# Altium PCB BGA_faser_v2.PcbDoc (part 3 of 5) (continued)
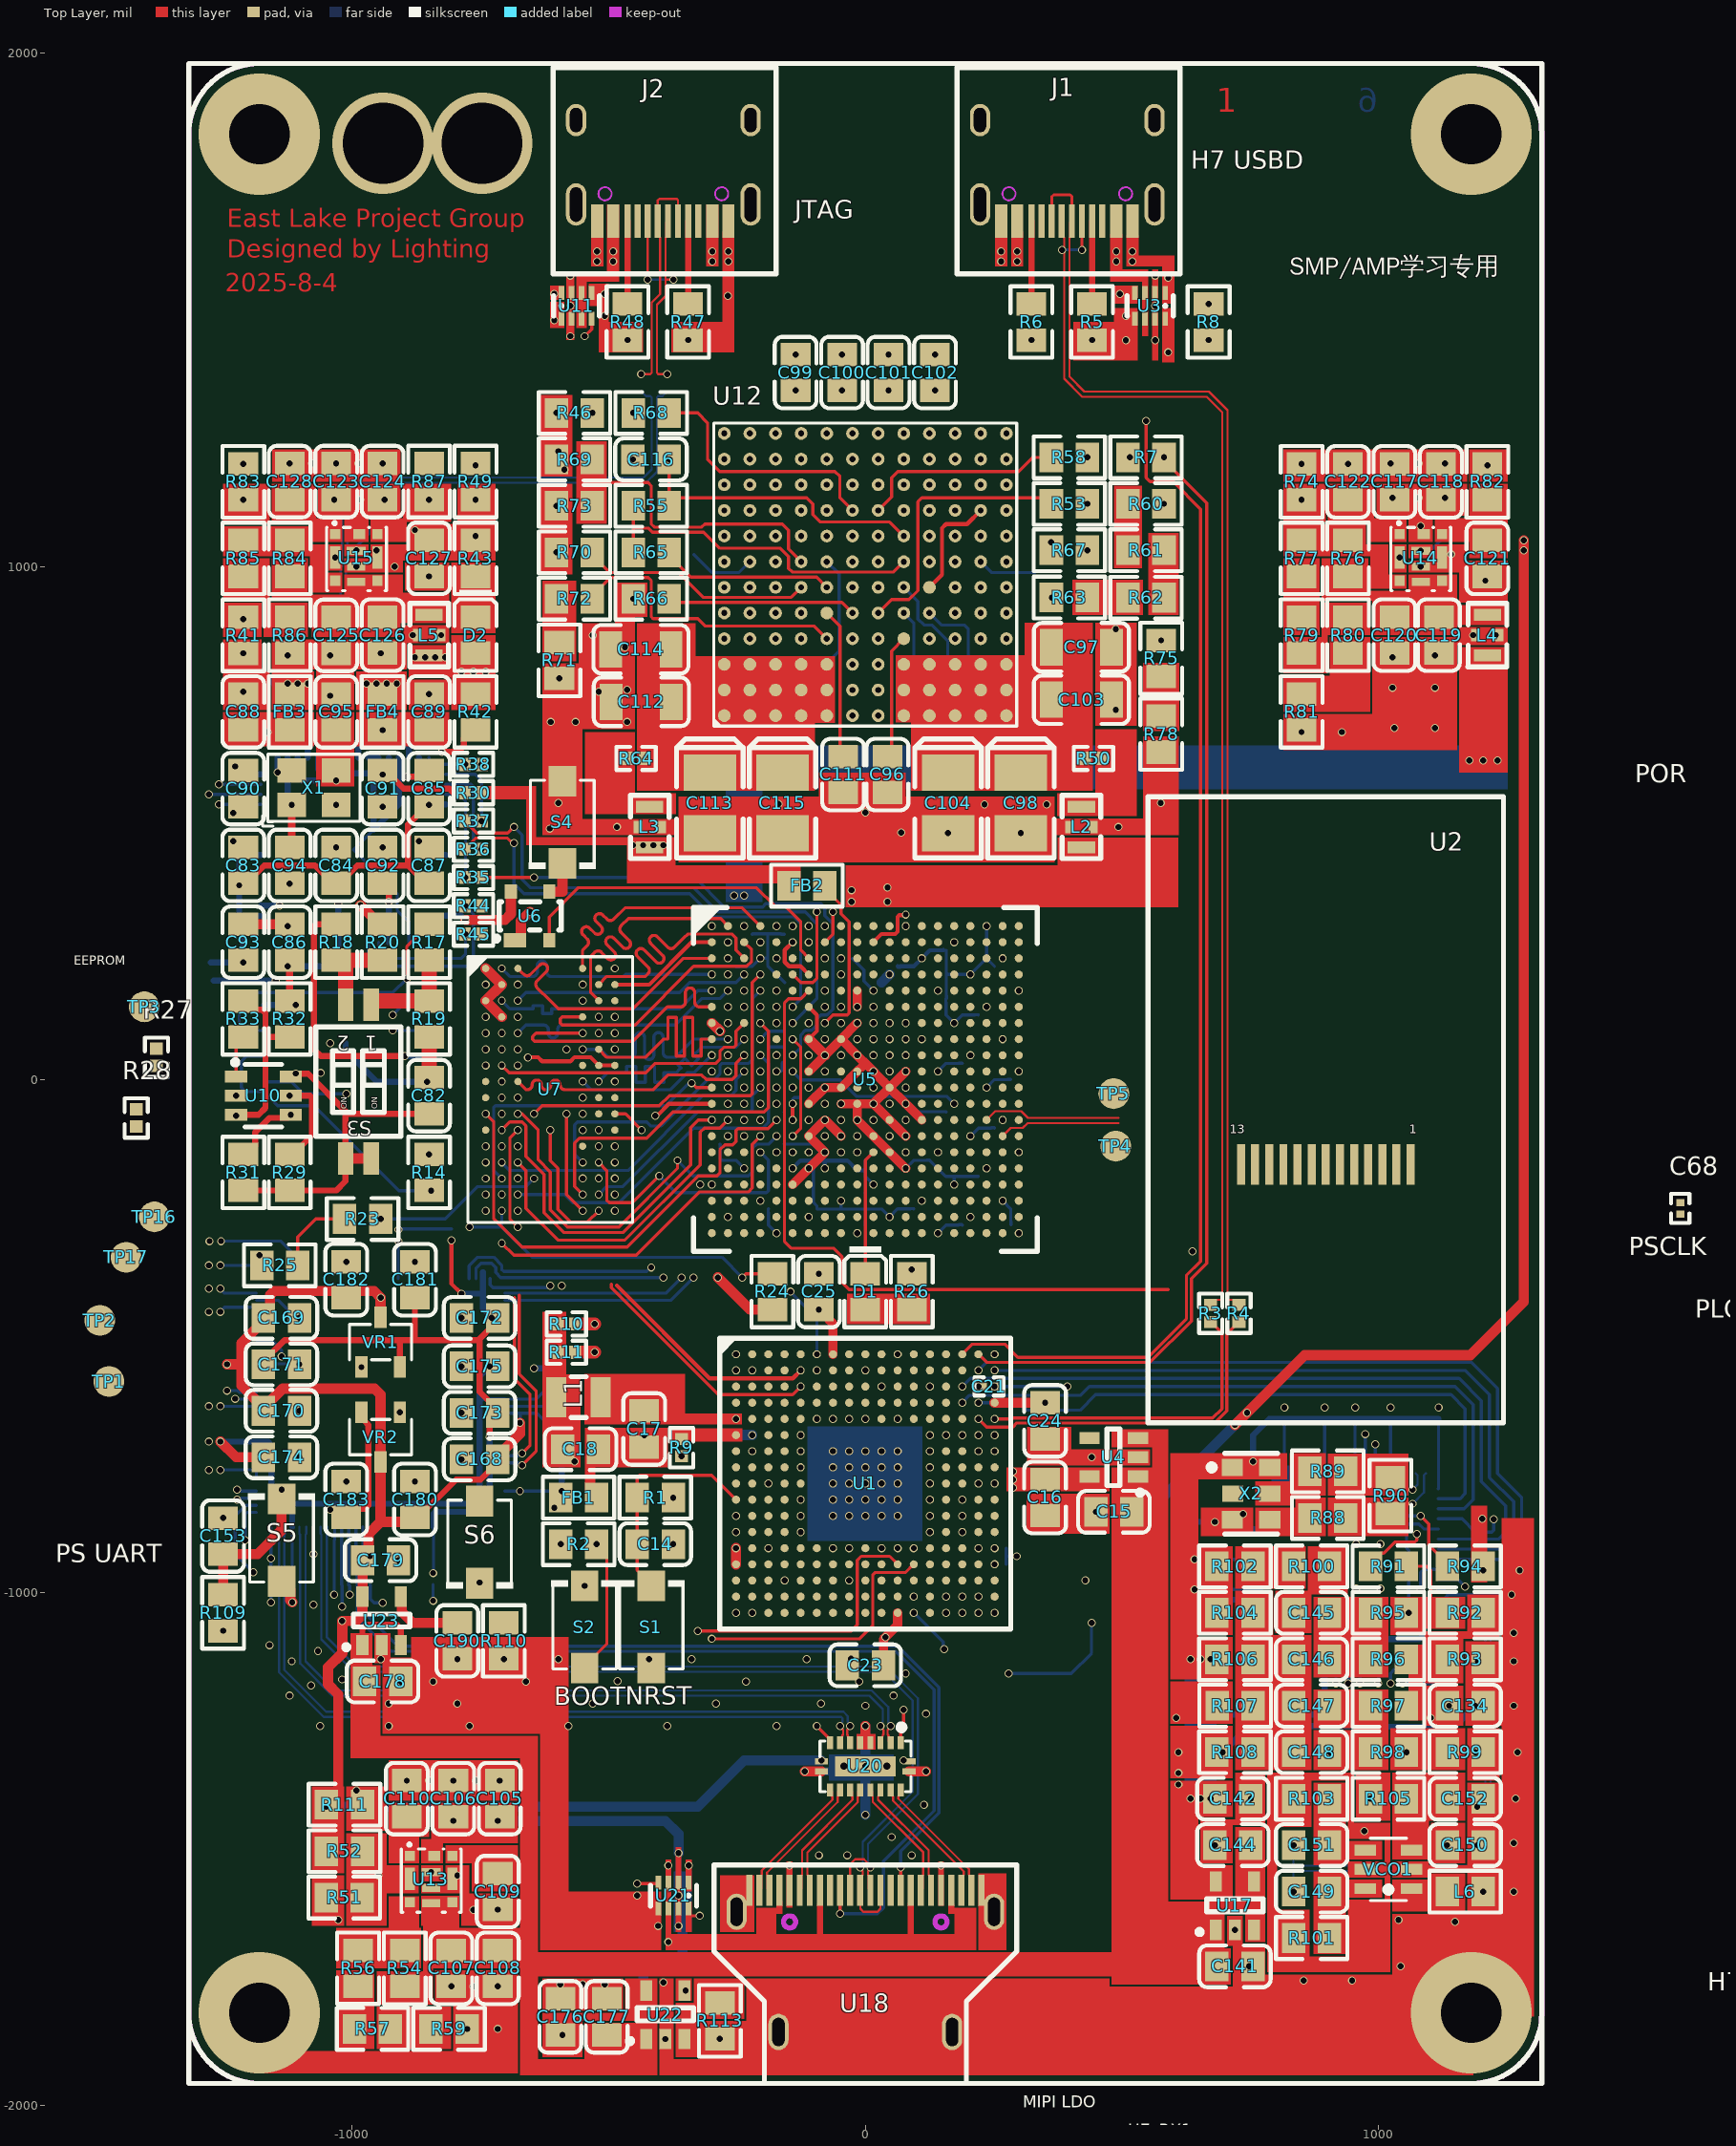
[diagram p0: Top Layer view]
## Nets (pads, with @x,y where several pads share a name; then routed paths per layer and width w, separated by ;. In a path a pad name is that pad's centre, name@x,y a point inside that pad or via, vN(x,y) a via of type N, cw(c..) or ccw(c..) an arc to the next point about the centre after c; other vN are vias at no path point) (continued)
IF_3V3: C154.1 C155.2 C156.1 C157.2 C158.1 C159.1 C160.2 C161.1 C162.2 C163.1 C164.1 C165.2 C166.2 C167.2 C168.1 C169.1 C170.1 C179.2 C180.2 C182.2 R52.1 R109.2 R111.2 S6.2 U19.6 U19.7 U19.16 U19.30 U19.32 U19.33 U19.38 U19.51 U19.64 U19.82 U19.93 U19.114 U19.128 U20.9 U20.20 U23.5 VR1.3 VR2.3 | length 4576.2
  Top Layer w11.81: C180.2@-877.95,-853.54 -871.85,-853.54 -797.83,-779.53 -750.2,-779.53 C168.1@-716.93,-746.26
  Top Layer w20: v1(-1244.09,-555.12) -1216.54,-555.12 ; C170.1@-1173.23,-645.67 C170.1@-1173.23,-639.57 ; -1047.24,-1462.6 -1027.56,-1442.91 -1027.56,-1198.44 -1047.24,-1178.76 -1047.24,-1145.67 -1019.69,-1118.11 v1(-1019.69,-1055.12) -992.03,-1055.12 -980.32,-1043.4 U23.5@-980.32,-1007.87 -980.12,-1007.68 -980.12,-937.2 C179.2@-979.92,-937.01 -968.5,-925.59 -968.5,-885.71 -944.88,-862.09 ; VR1.3@-944.88,-463.19 v1(-944.88,-425.2) -957.72,-412.36 -1152.52,-412.36 -1160.39,-420.24 -1160.39,-451.73 C169.1@-1173.23,-464.57 -1173.23,-470.67 -1216.54,-513.98 -1216.54,-555.12 ; C180.2@-877.95,-853.54 -886.5,-862.09 -944.88,-862.09 ; C168.1@-716.93,-746.26 C168.1@-716.93,-740.16 -716.93,-734.06 -673.23,-690.35 v1(-673.23,-669.29) ; -1216.54,-555.12 -1216.54,-596.26 C170.1@-1173.23,-639.57 ; C170.1@-1173.23,-639.57 -1136.02,-602.36 -956.6,-602.36 -944.88,-614.08 -944.88,-862.09
  Layer 3 w19.68: v1(-85.43,-1326.77) -61.81,-1303.15 51.18,-1303.15 v1(74.8,-1326.77)
  PWR w20: v1(-1251.97,-1074.41) -1251.97,-1051.18 ; -661.42,-397.64 -657.48,-401.57 v1(-614.17,-401.57)
  Bottom Layer w6.16: v1(-1257.09,-636.81) U19.16@-1187.01,-636.81 ; v1(-1257.09,-452.76) -1257.09,-451.97 -1249.02,-443.9 U19.30@-1187.01,-443.9 ; v1(-1257.09,-407.48) -1257.09,-408.27 -1249.02,-416.34 U19.32@-1187.01,-416.34 ; v1(-1257.09,-362.2) -1169.29,-362.2 -1158.46,-373.03 U19.33@-1158.46,-387.8 ; v1(-1255.91,-314.96) -1138.78,-314.96 -1089.57,-364.17 U19.38@-1089.57,-387.8 ; C159.1@-1254.33,-760.83 U19.7@-1187.01,-760.83 U19.6@-1187.01,-774.61 ; C155.2@-1158.46,-961.81 U19.128@-1158.46,-872.05 ; C162.2@-965.55,-961.81 U19.114@-965.55,-872.05 ; U19.51@-910.43,-387.8 v1(-910.43,-314.96) ; U19.64@-731.3,-387.8 -731.3,-400.36 -726.14,-405.51 -618.11,-405.51 v1(-614.17,-401.57) ; U19.93@-702.76,-802.17 C156.1@-614.17,-802.17 ; U19.82@-702.76,-650.59 -671.36,-650.59 ; v1(-673.23,-669.29) -672.94,-669.01 -672.94,-652.18 -671.36,-650.59 ; C163.1@-614.17,-677.17 -614.17,-676.38 -639.96,-650.59 -671.36,-650.59
  Bottom Layer w19.68: v1(-1051.18,-1417.32) -326.77,-1417.32 -236.22,-1326.77 v1(-85.43,-1326.77)
  other v1: -751.97,-980.32 -1158.46,-933.07 -965.55,-929.13 -673.23,-802.17 -1257.09,-760.83
INIT_B: R15.2 U5.R10 | length 2.6
  Top Layer w6.16: U5.R10@-15.75,-144.33 v1(-15.75,-141.74)
INTVCC: C116.2 R55.2 R67.2 R74.2 R83.2 U12.H8 | length 2332.2
  Top Layer w6.16: v1(-382.68,1208.66) -382.68,1118.5 R55.2@-382.28,1118.11 -366.54,1133.86 -114.17,1133.86 -102.36,1122.05 -102.36,1101.2 -87.78,1086.61 47.24,1086.61 74.61,1059.25 v1(75,1059.25)
  Layer 3 w5.59: v1(362.2,1047.24) 362.2,1082.68
  Layer 3 w5.61: v1(-1212.6,1200) -1174.02,1161.42 -429.92,1161.42 v1(-382.68,1208.66) ; v1(75,1059.25) 98.43,1082.68 362.2,1082.68 733.07,1082.68 v1(850.39,1200)
JTAG_RXD: R44.2
JTAG_TCK: R38.2 U5.F9 | length 1029.4
  Layer 3 w5.61: v1(-748.03,614.17) -314.96,614.17 -47.24,346.46 -47.24,318.9 -62.99,303.15 -62.99,157.48 v1(-47.24,141.73)
JTAG_TDI: R37.2 U5.G6 | length 1046.2
  Top Layer w6.16: R37.2@-780.51,503.94 -780.51,502.95 -757.87,480.31 -697.43,480.31 -685.62,492.13 v1(-685.04,492.13) ; v1@-687.3,494.38 -685.62,496.06 v1@-685.04,496.06
  Bottom Layer w6.16: v1(-685.04,492.13) -669.29,476.38 -669.29,389.76 -653.54,374.02 -334.65,374.02 -287.4,326.77 -117.36,326.77 -94.49,303.9 -94.49,157.48 v1(-141.73,110.23)
JTAG_TDO: R36.2 U5.F6 | length 951.2
  Top Layer w6.16: R36.2@-780.51,448.82 -780.51,449.8 -759.66,470.65 -697.66,470.65 -687.63,460.63 v1(-685.04,460.63) ; v1@-687.61,458.06 -686.24,456.69 v1@-685.04,456.69
  Bottom Layer w6.16: v1(-685.04,460.63) -685.04,381.89 -665.35,362.2 -342.52,362.2 -297.43,317.11 -139.19,317.11 -125.98,303.91 -125.98,157.48 v1(-141.73,141.73)
JTAG_TMS: R35.2 U5.J6 | length 1039.3
  Top Layer w6.16: R35.2@-747.05,393.7 v1(-645.67,393.7)
  Bottom Layer w6.16: v1(-645.67,393.7) -332.6,393.7 -275.33,336.43 -200.26,336.43 -194.17,342.52 -86.29,342.52 -78.74,334.97 -78.74,319.65 -62.99,303.91 -62.99,137.04 -72.75,127.28 -73.51,127.28 -74.8,125.98 -86.61,125.98 -94.49,118.11 -94.49,105.54 -104.25,95.78 -116.82,95.78 -125.98,86.61 -125.98,62.99 v1(-141.73,47.24)
JTAG_TXD: R45.2
LD: U1.D15 U16.3 | length 1284.1
  Bottom Layer w6.16: v1(188.98,-629.92) 203.43,-615.47 419.97,-615.47 437.01,-598.43 1149.61,-598.43 1185.04,-633.86 1185.04,-818.9 1167.33,-836.61 U16.3@1117.13,-836.61
LF: R99.2 R105.2 U16.9 | length 701.2
  Layer 3 w5.61: v1(984.25,-1401.57) 1145.67,-1401.57 1188.98,-1358.27 v1(1188.98,-1311.02) 1134.17,-1256.22 1134.17,-1255.85 1082.68,-1204.36 v1(1082.68,-994.09)
  Bottom Layer w6.16: v1(1082.68,-994.09) 1082.68,-960.63 1088.59,-954.72 U16.9@1117.13,-954.72
LF_COMMON: C146.1 C147.1 C148.1 R104.1 R106.2 R107.2 R108.2
LX: C17.2 L1.1 U1.E1
  other v1: -251.97,-661.42
MDIRN: U19.12
MDIRP: U19.13
MDITN: U19.14
MDITP: U19.15
MODE: R70.1 U12.F4 | length 454.9
  Top Layer w6.16: R70.1@-531.89,1027.56 -531.89,1021.46 -498.62,988.19 -365.16,988.19 -316.75,939.78 -144.47,939.78 v1(-125,959.25)
NC: U5.P1 U5.P3 U5.R1 U5.R2 U5.R3 U5.T1 U5.T2 U5.T4 U5.U2 U5.U3 U5.U4 U5.V1 U5.V2 U5.V3 U5.W1 U5.W3 U5.W4 U5.W5 U5.Y1 U5.Y2 U5.Y3 U5.Y4
  other v1: -236.22,-110.24
NetC22_2: C22.2 U1.N17
  other v1: 251.97,-913.38
NetC88_1: C88.1 FB3.1 U9.4 | length 121.4
  Bottom Layer w12: v1(-1165.35,677.17) -1098.43,677.17 -1086.62,665.36 U9.4@-1086.62,627.56
NetC89_1: C89.1 FB4.1 U9.9 | length 91.6
  Bottom Layer w12: U9.9@-988.2,627.56 -988.2,665.34 -972.44,681.1 v1(-940.94,681.1)
NetC93_2: C93.2 R34.2 U9.49 | length 166.8
  Bottom Layer w12: v1(-1212.6,228.35) -1212.6,296.19 -1208.99,299.8 U9.49@-1178.16,299.8
  Bottom Layer w12.01: R34.2@-1275.59,228.35 v1(-1212.6,228.35)
NetC125_2: C125.2 C126.2 L5.1 R84.2 U15.4 U15.5
NetC144_2: C144.2 U17.4
NetC145_1: C145.1 R100.2
NetC145_2: C145.2 C146.2 R95.2 R96.1
NetC147_2: C147.2 R97.2 R98.1
NetC148_2: C148.2 R98.2 R99.1 | length 149.6
  Bottom Layer w6.16: v1(905.51,-1311.02) v1(1055.12,-1311.02)
NetC190_2: C190.2 U23.4 | length 147.6
  Top Layer w19.68: U23.4@-905.51,-1007.87 -903.54,-1009.84 -903.54,-1037.4 -881.89,-1059.06 C190.2@-795.28,-1059.06
NetD1_A: D1.A R26.1
NetD2_K: D2.K R43.2
NetL6_2: L6.2 VCO1.1
NetR17_2: R17.2 R19.2 S3.3 | length 195.3
  Top Layer w6.16: S3.3@-963.19,146.06 S3.3@-956.1,153.15
  Top Layer w30: S3.3@-956.1,153.15 R19.2@-850.39,153.15 R17.2@-850.39,232.68
NetR18_1: R18.1 R20.2 S3.4 | length 188.3
  Top Layer w30: S3.4@-1013.19,146.06 -1013.19,220.47 -1025.39,232.68 R18.1@-1031.5,232.68 R20.2@-940.94,232.68
NetR23_2: R23.2 R25.2 | length 161.1
  Top Layer w6.16: R25.2@-1106.3,-362.2 -1106.3,-307.09 -1070.87,-271.65 R23.2@-1014.96,-271.65
NetR27_2: R27.2 U5.G5
  other v1: -173.23,110.24
NetR28_2: R28.2 U5.H5
NetR33_2: R33.2 U10.1 | length 82.9
  Top Layer w6.16: U10.1@-1226.38,5.9 -1226.38,69.29 R33.2@-1212.6,83.07
NetR35_1: R35.1 U9.19 | length 193.1
  Bottom Layer w6.16: U9.19@-817.92,555.71 -791.93,555.71 -779.53,543.31 v1(-779.53,393.7)
NetR36_1: R36.1 U9.18 | length 184.6
  Bottom Layer w6.16: U9.18@-817.92,575.39 -768.3,575.39 -763.78,570.87 -763.78,464.57 v1(-748.03,448.82)
NetR37_1: R37.1 U9.17 | length 153.8
  Bottom Layer w6.16: U9.17@-817.92,595.08 -760.44,595.08 -748.03,582.68 v1(-748.03,503.94)
NetR38_1: R38.1 U9.16 | length 93.3
  Bottom Layer w6.16: U9.16@-850.4,627.56 -850.39,609.91 -846.79,606.3 -840.72,606.3 -832.84,614.17 v1(-779.53,614.17)
NetR41_2: R41.2 U9.6 | length 271.6
  Bottom Layer w12: v1(-1212.6,830.71) -1047.25,665.36 U9.6@-1047.25,627.56
NetR42_2: R42.2 U9.14 | length 213.7
  Top Layer w6.16: v1(-825.85,638.23) v1@-825.39,638.7
  Top Layer w12: v1@-825.39,638.7 -794.37,638.7 -782.32,650.75 -782.32,664.66 -765.49,681.5 R42.2@-759.84,681.5
  Bottom Layer w12: U9.14@-889.77,627.56 -889.77,661.75 -886.16,665.35 -832.88,665.35 -825.85,658.32 v1@-825.85,639.25
NetR44_1: R44.1 U9.39 | length 360.1
  Bottom Layer w6.16: U9.39@-968.51,267.32 -968.51,236.23 -952.76,220.47 -775.59,220.47 -763.78,232.28 -763.78,322.83 v1(-779.53,338.58)
NetR45_1: R45.1 U9.38 | length 240.7
  Bottom Layer w6.16: U9.38@-948.83,267.32 -948.83,240.17 -944.88,236.22 -787.4,236.22 -779.53,244.09 v1(-779.53,283.46)
NetR51_2: R51.2 R52.2 TP6.1 U13.2
  other v1: -948.82,-1551.18
NetR54_1: R54.1 R56.1 U13.3
NetR56_2: R56.2 R57.2
NetR57_1: R57.1 R59.1
NetR60_1: R60.1 R61.1
NetR61_2: R61.2 R62.1
NetR62_2: R62.2 R63.1
NetR71_2: R71.2 R72.1
NetR75_1: R75.1 R78.2
NetR76_1: R76.1 R77.1 U14.3
NetR77_2: R77.2 R79.1
NetR79_2: R79.2 R80.2
NetR80_1: R80.1 R81.1
NetR84_1: R84.1 R85.1 U15.3
NetR85_2: R85.2 R86.1
NetR91_2: R91.2 R92.1 | length 151.8
  Top Layer w6.16: R91.2@1054.72,-948.82 1094.49,-948.82 1102.36,-956.69 1102.36,-1011.52 1105.97,-1015.13 1114.5,-1015.13 1134.25,-1034.89 R92.1@1134.25,-1039.37
NetR92_2: R92.2 R93.1
NetR96_2: R96.2 R97.1
NetR100_1: R100.1 R102.2
NetR102_1: R102.1 R104.2
NetR113_2: R113.2 U22.3
NetS4_2: S4.2 U6.3 | length 77.4
  Top Layer w20: U6.3@-616.14,366.14 -590.56,366.14 S4.2@-590.55,417.91
NRST: C14.2 R1.1 S1.2 U1.K1 | length 436
  Top Layer w6.16: S1.2@-417.32,-986.81 -417.32,-983.46 -444.49,-956.3 C14.2@-444.49,-905.51 R1.1@-444.49,-814.96 -444.49,-775.98 -440.16,-771.65 -299.21,-771.65 U1.K1@-251.97,-818.89
ODT: U5.N5 U7.K1 | length 927.1
  Top Layer w6.16: v1(-740.16,-66.93) -724.41,-82.67 -724.41,-271.65 -669.29,-326.77 -464.57,-326.77 -325.79,-187.99 -289.37,-187.99 -283.46,-182.09 -283.46,-137.04 -273.71,-127.28 -258.19,-127.28 -251.97,-121.06 -251.97,-99.41 -248.03,-95.47 -189.97,-95.47 v1(-173.23,-78.74)
OSCI: C94.2 U9.2 X1.1 | length 180
  Top Layer w6.16: C94.2@-1122.05,452.36 C94.2@-1118.11,456.3
  Top Layer w15: C94.2@-1118.11,456.3 v1(-1118.11,535.43)
  Bottom Layer w12: U9.2@-1125.99,627.56 -1125.99,543.31 v1(-1118.11,535.43)
OSCO: C95.2 U9.3 X1.3 | length 115.1
  Bottom Layer w12: U9.3@-1106.31,627.56 -1106.31,590.56 -1098.43,582.68 v1(-1031.5,582.68)
OTG_D_n: U19.90
OTG_D_p: U19.91
OUT5_n: U16.29
OUT5_p: U16.28
OUT6_n: U16.47
OUT6_p: U16.48
OUT7_n: U16.45
OUT7_p: U16.46
OUT8_n: U16.33
OUT8_p: U16.34
OUT9_n: U16.35
OUT9_p: U16.36
PA0: U1.N5
PA0_C: U1.T1
PA1: U1.N4
PA1_C: U1.T2
PA4: U1.U3
PA5: U1.T3
PA6: U1.R3
PA7: U1.R5
PA8: U1.E15
PA10: U1.D14
PA11: R3.1 U1.E17 | length 630.1
  Top Layer w6.16: v1(251.97,-661.42) 283.31,-661.41 284.99,-659.73 387.51,-659.73 387.61,-659.63 677.1,-659.63 695.06,-641.67 695.06,-494.28 682.94,-482.16 682.94,-481.17 674.21,-472.44 R3.1@673.23,-472.44
PA12: R4.1 U1.E16 | length 687.4
  Top Layer w6.16: v1(220.47,-661.42) 236.22,-677.17 287.4,-677.17 295.18,-669.39 681,-669.39 704.72,-645.67 704.72,-496.06 718.63,-482.16 718.63,-481.17 727.36,-472.44 R4.1@728.35,-472.44
PA14: U1.B14
PA15: U1.A14
PB0: U1.U5
PB1: U1.T5
PB2: U1.R6
PB3: U1.C6
PB4: U1.B7
PB8: U1.D5
PB9: U1.D4
PC0: U1.L2
PC1: U1.M2
PC2: U1.M3
PC2_C: U1.R1
PC3: U1.M4
PC3_C: U1.R2
PC4: U1.T4
PC5: U1.U4
PC6: U1.F14
  other v1: 157.48,-692.91
PC7: U1.F13
  other v1: 125.98,-692.91
PC8: U1.E13
PC9: U1.E14
PC12: U1.C12
PC13: U1.E3 U19.8
PC14: U1.C2
PC15: U1.C1
PD0: U1.D13
PD1: U1.E12
PD2: U1.D12
PD9: U1.T17
PD11: U1.R15
PD12: U1.R16
PD13: U1.R17
PD14: U1.P16
PD15: U1.P15
PDn: U1.T16 U16.24 | length 853.2
  Layer 3 w5.61: v1(220.47,-1007.87) 234.65,-1022.05 259.84,-1022.05 277.16,-1039.37 523.26,-1039.37 661.05,-1177.17 v1(917.32,-1177.17)
  Bottom Layer w6.16: v1(917.32,-1177.17) 917.32,-1147.98 920.93,-1144.37 947.64,-1144.37 951.89,-1140.13 951.89,-1124.87 U16.24@954.71,-1122.05
PE0: U1.C4
PE1: U1.B4
PE2: U1.C3
PE3: U1.D3
PE4: U1.D2
PE5: U1.D1
PE6: U1.E5
PE7: U1.U9
PE8: U1.T9
PE9: U1.P9
PE10: U1.N9
PE11: U1.P10
PE12: U1.R10
PE13: U1.T10
PE14: U1.U10
PE15: U1.R11
PF0: U1.G4
PF1: U1.G3
PF2: U1.G1
PF3: U1.H4
PF4: U1.J5
PF5: U1.J4
PF6: U1.K2
PF7: U1.K3
PF8: U1.K4
PF9: U1.L4
PF10: U1.L3
PF11: U1.T7
PF12: U1.R7
PF13: U1.P7
PF14: U1.P8
PF15: U1.R9
PG0: U1.T8
PG1: U1.U8
PG2: U1.H16
PG3: U1.H15
PG4: U1.H14
PG5: U1.G14
PG6: U1.G15
PG7: U1.F16
  other v1: 220.47,-692.91
PG8: U1.F15
  other v1: 188.98,-692.91
PG12: U1.C9
PG13: U1.D9
PG14: U1.D8
PG15: U1.D6
PG_1V0: R55.1 R65.2 U12.G8 | length 704
  Top Layer w6.16: R65.2@-452.36,1027.56 R65.2@-452.36,1033.66 ; R55.1@-452.36,1118.11 -452.36,1075.89 ; R65.2@-432.61,1053.42 R65.2@-452.36,1033.66 ; v1(75,1009.25) 54.82,989.07 -142.62,989.07 -149.61,996.06 -149.61,1019.68 -165.35,1035.43 -283.46,1035.43 -314.96,1066.93 -415.24,1066.93 -423.11,1074.8 -451.28,1074.8 -452.36,1075.89 ; R65.2@-452.36,1033.66 -452.36,1075.89
PG_1V5: R74.1 R87.2 U14.2
  other v1: 1041.34,1017.52 850.39,1129.92
PG_1V8: R67.1 R82.2 U12.G9 | length 1186
  Layer 3 w5.61: v1(125,1009.25) 150,984.25 385.83,984.25 v1(433.07,1031.5) 712.6,1031.5 850.39,1169.29 1185.04,1169.29 v1(1212.6,1196.85)
PG_3V3: R83.1 U15.2 | length 225.7
  Layer 3 w25: v1(-1212.6,1129.92) -1145.87,1129.92 v1(-1033.47,1017.52)
PH0: U1.J2
PH1: U1.J1
PH2: U1.N2
PH3: U1.P2
PH4: U1.P3
PH5: U1.P4
PH6: U1.T11
PH7: U1.U13
PH8: U1.T13
PH9: U1.R13
PH10: U1.P13
PH11: U1.P14
PH12: U1.R14
PHASMD: R69.1 R73.2 U12.G4 | length 631.8
  Top Layer w6.16: R73.2@-531.89,1118.11 -531.89,1163.39 ; R69.1@-531.89,1208.66 -531.89,1163.39 ; v1(-125,1009.25) -149.61,1033.86 -149.61,1070.87 -161.42,1082.68 -312.81,1082.68 -318.9,1076.59 -411.23,1076.59 -417.32,1082.68 -417.32,1157.48 -423.23,1163.39 -531.89,1163.39
PI2: U1.B15
PI3: U1.C14
PI4: U1.A4
PI5: U1.A3
PI6: U1.A2
PI7: U1.B3
PI8: U1.E4
PI9: U1.E2
PI10: U1.F3
PI11: U1.F4
PI12: U1.H1
PI13: U1.H2
PI14: U1.H3
PI15: U1.P5
PJ0: U1.N6
PJ1: U1.P6
PJ2: U1.T6
PJ3: U1.U6
PJ4: U1.U7
PJ5: U1.R12
PJ6: U1.N15
PJ7: U1.N14
PJ8: U1.N13
PJ9: U1.M14
PJ10: U1.L14
PJ11: U1.K14
PJ12: U1.D11
PJ13: U1.E10
PJ14: U1.D10
PJ15: U1.B10
PK0: U1.J14
PK1: U1.J15
PK2: U1.H17
PK3: U1.C8
PK4: U1.B8
PK5: U1.A8
PK6: U1.C7
PK7: U1.D7
PLCLK_n: TP5.1 U5.N18 | length 269.7
  Top Layer w4.29: U5.N18@236.22,-78.74 253.15,-61.8 304.21,-61.8 317.21,-74.8 493.51,-74.8
PLCLK_p: TP4.1 U5.P19 | length 236.2
  Top Layer w4.29: U5.P19@267.71,-110.24 283.5,-94.45 306.99,-94.45 316.34,-85.09 493.51,-85.09
PLL_3V3: C129.2 C130.2 C131.1 C133.1 C135.2 C136.2 C137.1 C138.2 C139.2 C140.1 C142.2 C143.2 R106.1 U16.1 U16.11 U16.12 U16.27 U16.30 U16.31 U16.32 U16.38 U16.41 U16.49 U16.50 U16.51 U16.54 U16.57 U16.60 U16.61 U17.5 X2.1 X2.6 | length 2272.5
  Bottom Layer w6.16: C139.2@624.8,-994.09 U16.38@772.64,-994.09 ; C133.1@624.8,-935.04 U16.41@772.64,-935.04 ; 809.05,-1129.92 U16.31@816.92,-1122.05 ; U16.50@816.92,-767.72 C131.1@816.93,-661.42 ; U16.54@895.66,-767.72 C129.2@895.67,-661.42 ; U16.57@954.71,-767.72 C136.2@954.72,-661.42 ; U16.60@1013.77,-767.72 1013.77,-757.87 1023.62,-748.02 C137.1@1023.62,-661.42 ; 1023.62,-748.04 1033.45,-757.87 U16.61@1033.45,-767.72 ; U16.12@1117.13,-1013.78 1126.97,-1013.78 1136.81,-1003.94 ; U16.11@1117.13,-994.09 1126.97,-994.09 1136.82,-1003.94 C143.2@1237.4,-1003.94 ; U16.1@1117.13,-797.24 1117.52,-796.85 C140.1@1117.52,-661.42
  Bottom Layer w11.81: 641.73,-1236.22 642.91,-1237.4 C135.2@816.93,-1237.4 ; v1(755.91,-744.09) 755.91,-692.91 787.4,-661.42 C131.1@816.93,-661.42 C137.1@1023.62,-661.42 C140.1@1117.52,-661.42 ; U16.31@816.92,-1122.05 C135.2@816.93,-1237.4 ; U16.12@1117.13,-1013.78 1093.53,-1013.78 1086.61,-1020.7 1086.61,-1083.63 1079.7,-1090.55 902.58,-1090.55 895.67,-1097.47 C138.2@895.67,-1237.4 C135.2@816.93,-1237.4
  other v1: 633.86,-1401.57 653.54,-1401.57 673.23,-1401.57 610.24,-1374.02 633.86,-1129.92 653.54,-1129.92 673.23,-1129.92 641.73,-994.09 641.73,-935.04
PLL_5V: C132.2 C150.2 R101.1 R103.2 U16.4 VCO1.5 | length 1018
  Top Layer w6.16: 1105.01,-1524.92 1107.58,-1522.34 1110.14,-1522.34 1134.25,-1498.23 v1(1134.25,-1492.13)
  Layer 3 w15.75: v1(972.44,-1464.57) 1106.69,-1464.57 ; v1(1134.25,-1492.13) 1106.69,-1464.57 ; v1(1225.08,-856.8) 1225.08,-1346.18 1106.69,-1464.57
  Bottom Layer w6.16: U16.4@1117.13,-856.3 1163.38,-856.3 1188.98,-881.89 1221.47,-881.89 1225.08,-878.28 v1(1225.08,-856.8)
PRE_1V0: L2.1 R50.2
PRE_1V5: C119.2 C120.2 L4.1 R76.2 U14.4 U14.5
PRE_1V8: L3.1 R64.2
PROGRAM_B: R16.2 U5.L6 | length 0.6
  Layer 3 w5.61: v1@-141.73,-16.36 v1@-141.12,-16.36
  other v1: -141.73,-15.75
PS_POR_B: U5.C7 U6.2 | length 664.2
  Top Layer w6.16: U6.2@-616.14,271.66 -616.14,316.93 -559.06,374.02 -212.6,374.02 -176.18,337.6 -156.5,337.6 -125.98,307.09 -125.98,251.97 U5.C7@-110.24,236.22
PSCLK: TP3.1 U5.E7 | length 1338.7
  Top Layer w6.16: U5.E7@-110.24,173.23 -125.99,157.48 -149.61,157.48 -157.48,149.61 -157.48,-315.94 -144.69,-328.74 -62.01,-328.74 -45.28,-345.47 -45.28,-395.67 -31.5,-409.45 590.55,-409.45
PSU1_RXD: U5.C5 U19.62 | length 1304.9
  Layer 3 w5.61: v1(-393.7,-385.83) -393.7,-370.08 -359.74,-336.11 -145.02,-336.11 -125.98,-317.08 -125.98,216.54 -129.92,220.47 -157.48,220.47 v1(-173.23,236.22)
  Bottom Layer w6.16: U19.62@-758.86,-387.8 -758.86,-367.62 -749.51,-358.27 -728.35,-358.27 -720.47,-366.14 -720.47,-376.15 -710.79,-385.83 v1(-393.7,-385.83) v1@-389.76,-385.83
PSU1_TXD: U5.C8 U19.61 | length 1400.5
  Layer 3 w5.61: v1@-423.2,-368.08 -419.26,-368.08 v1(-417.32,-366.14) -417.32,-402.23 -414.04,-405.51 -381.89,-405.51 -374.02,-397.64 -374.02,-374.02 -345.22,-345.22 -110.24,-345.22 -94.49,-329.48 -94.49,114.17 -96.06,115.74 -96.06,116.11 -106.3,126.35 -106.3,185.04 -78.74,212.6 v1(-78.74,236.22)
  Bottom Layer w6.16: U19.61@-772.64,-387.8 -772.64,-363.19 -755.91,-346.46 -724.41,-346.46 -708.66,-362.2 -708.66,-370.08 -704.72,-374.02 -425.73,-374.02 -417.85,-366.14 v1(-417.32,-366.14)
PSU2_RXD: U5.D9 U19.66 | length 1252.1
  Layer 3 w5.61: v1(-334.65,-385.83) -312.26,-363.44 -68.17,-363.44 -31.5,-326.77 -31.5,188.98 v1(-47.24,204.72)
  Bottom Layer w6.16: U19.66@-702.76,-430.12 -378.94,-430.12 v1(-334.65,-385.83)
PSU2_TXD: U5.E8 U19.65 | length 1201.4
  Layer 3 w5.61: v1(-358.27,-385.83) -326.77,-354.33 -98.43,-354.33 -62.99,-318.9 -62.99,118.76 -70.22,125.98 -86.61,125.98 -94.49,133.86 -94.49,157.48 v1(-78.74,173.23)
  Bottom Layer w6.16: U19.65@-702.76,-416.34 -640.98,-416.34 -388.78,-416.34 v1(-358.27,-385.83)
QSPI_CLCOK: R14.1 U5.A5 | length 1208
  Layer 3 w7.99: v1(-850.39,-145.67) -885.83,-110.24 -885.83,-19.69 -874.64,-8.5 -874.64,293.11 -813.11,354.65 -287.72,354.65 -275.59,342.52 -216.54,342.52 v1(-173.23,299.21)
QSPI_CLK: R14.2 U8.6 | length 587.7
  Top Layer w6.16: R14.2@-876.25,-196.39 -856.5,-216.14 R14.2@-850.39,-216.14
  Bottom Layer w6.16: U8.6@-1171.53,45.67 -1206.3,45.67 -1216.54,35.43 -1216.54,-15.75 -1208.66,-23.62 -1173.23,-23.62 -1145.67,-51.18 -1074.8,-51.18 -909.45,-216.54 v1(-846.46,-216.54)
QSPI_CS: U5.A7 U8.1 | length 1163.8
  Layer 3 w7.99: v1(-921.26,125.98) -921.26,169.29 -929.13,177.17 -929.13,287.4 -807.46,409.07 -204.35,409.07 -179.13,383.86
  Layer 3 w8: -179.13,383.86 -110.24,314.96 v1(-110.24,299.21)
  Bottom Layer w6.16: v1(-921.26,125.98) -901.57,145.67 U8.1@-854.33,145.67
QSPI_DQ0: U5.B8 U8.5 | length 1575.1
  Top Layer w6.16: U5.B8@-78.74,267.71 -62.99,283.46 v1(-62.99,326.77)
  Layer 3 w7.99: v1@-1011.63,-27.38 -960.63,23.62 -960.63,291.34 -818.9,433.07 -169.29,433.07 v1(-62.99,326.77)
  Bottom Layer w6.16: U8.5@-1171.53,-4.33 -1134.25,-4.33 -1118.47,-4.33 -1095.24,-27.56 v1(-1011.81,-27.56)
QSPI_DQ1: U5.D6 U8.2 | length 1400.7
  Top Layer w6.16: U5.D6@-141.73,204.72 -125.98,188.98 -102.36,188.98 -94.49,196.85 v1(-94.49,326.77)
  Layer 3 w7.99: v1(-921.26,95.67) -944.88,119.29 -944.88,287.91 -811.53,421.26 -188.98,421.26 v1(-94.49,326.77)
  Bottom Layer w6.16: v1(-921.26,95.67) U8.2@-854.33,95.67
QSPI_DQ2: R18.2 U5.B7 U8.3 | length 1668.8
  Top Layer w12: R18.2@-1031.5,302.76 -1071.26,302.76 -1074.8,299.21 -1074.8,59.06 -1061.42,45.67 v1(-897.64,45.67)
  Layer 3 w8: v1(-897.64,45.67) -897.64,165.35 -913.39,181.1 -913.39,286.89 -822.32,377.95 -429.13,377.95 -417.32,389.76 -208.66,389.76 -126.36,307.46 -126.36,292.84 -126.36,283.84 v1(-110.24,267.71)
  Bottom Layer w12: v1(-897.64,45.67) U8.3@-854.33,45.67
QSPI_DQ3: R17.1 U5.A6 U8.7 | length 1481.5
  Top Layer w6.16: v1(-893.7,196.85) -893.7,259.45 -876.25,276.9 -876.25,283 -856.5,302.76 R17.1@-850.39,302.76
  Layer 3 w8: v1(-893.7,196.85) -893.7,290.31 -817.87,366.14 -413.39,366.14 -405.51,374.02 -216.54,374.02 v1(-141.73,299.21)
  Bottom Layer w6.16: U8.7@-1171.53,95.67 -1205.91,95.67 -1220.47,110.24 -1220.47,153.54 -1204.72,169.29 -921.26,169.29 v1(-893.7,196.85)
REF_IN_n: R89.1 R90.1 U16.63 | length 60.7
  Top Layer w4.29: 1043.31,-799.21 v1(1066.93,-799.21)
  Bottom Layer w4.29: v1(1066.93,-799.21) 1076.58,-789.56 1076.58,-771.48 U16.63@1072.82,-767.72
REF_IN_p: R88.1 R90.2 U16.64 | length 81.5
  Top Layer w4.29: 1055.12,-826.77 v1(1066.93,-826.77)
  Bottom Layer w4.29: v1(1066.93,-826.77) 1088.75,-804.95 1088.75,-771.48 U16.64@1092.51,-767.72
REF_SEL: U1.B17 U16.7 | length 1436.5
  Bottom Layer w6.16: v1(251.97,-566.93) 1169.29,-566.93 1216.54,-614.17 1216.54,-775.59 1263.78,-822.83 1263.78,-889.76 1238.2,-915.35 U16.7@1117.13,-915.35
REFC_n: R89.2 X2.5
REFC_p: R88.2 X2.4
REFMON: U1.D16 U16.2 | length 1200.3
  Bottom Layer w6.16: v1(220.47,-629.92) 300.88,-629.92 315.34,-644.38 418.62,-644.38 448.82,-614.17 1141.73,-614.17 1169.29,-641.73 1169.29,-807.09 1159.45,-816.93 U16.2@1117.13,-816.93
RESET: C153.2 R109.1 S5.2 U19.25 | length 600.5
  Top Layer w19.68: R109.1@-1251.97,-1004.33 C153.2@-1251.97,-924.8 -1184.65,-924.8 -1137.8,-877.95 S5.2@-1137.8,-817.52
  Layer 3 w5.61: v1(-1137.8,-799.21) v1(-1137.8,-539.37)
  Bottom Layer w6.16: U19.25@-1187.01,-512.8 -1152.56,-512.8 -1137.8,-527.56 v1(-1137.8,-539.37)
RESETn: R51.1 U1.U16 U16.23 | length 2608.1
  Layer 3 w5.61: v1(-1027.56,-1637.8) -677.17,-1637.8 -633.86,-1594.49 -318.9,-1279.53 157.48,-1279.53 v1(279.53,-1157.48) ; v1(220.47,-1039.37) 240.16,-1059.06 v1(440.94,-1059.06) 523.62,-1059.06 655.91,-1191.34 926.77,-1191.34 v1(940.94,-1177.17)
  Bottom Layer w6.16: v1(279.53,-1157.48) 401.57,-1157.48 440.94,-1118.11 v1(440.94,-1059.06) ; v1(940.94,-1177.17) 940.94,-1157.64 944.55,-1154.03 956.45,-1154.03 971.58,-1138.91 971.58,-1124.87 U16.23@974.4,-1122.05
RISC_HSE: U19.23
RSET: R91.1 U16.58 | length 474.6
  Top Layer w6.16: R91.1@984.65,-948.82 984.65,-942.72 1004.4,-922.96 1010.5,-922.96 1031.89,-901.57 1070.87,-901.57 1074.8,-897.64 v1(1074.8,-885.83)
  Layer 3 w5.61: v1(974.4,-690.95) 974.4,-844.48 1015.75,-885.83 v1(1074.8,-885.83)
  Bottom Layer w6.16: U16.58@974.4,-767.72 v1(974.4,-690.95)
RUN_1V5: C121.2 R82.1 U14.7
RUN_1V8: R65.1 U12.F5 | length 339.2
  Top Layer w6.16: R65.1@-382.28,1027.56 -382.28,1021.46 -340.16,979.33 -95.08,979.33 v1(-75,959.25)
RUN_3V3: C127.2 R87.1 U15.7 | length 149.6
  Layer 3 w25: v1(-850.39,980.71) v1(-850.39,1130.31)
SCLK: U1.U14 U16.16 | length 1166.1
  Layer 3 w5.61: v1(157.48,-1039.37) 157.48,-1082.68 188.98,-1114.17 500,-1114.17 618.11,-1232.28 992.13,-1232.28 v1(1047.24,-1177.17)
  Bottom Layer w6.16: v1(1047.24,-1177.17) 1106.3,-1177.17 1117.13,-1166.34 U16.16@1117.13,-1092.52
SDIO: U1.T15 U16.22 | length 959.1
  Layer 3 w5.61: v1(188.98,-1007.87) 204.72,-1023.62 204.72,-1053.15 228.35,-1076.77 521.65,-1076.77 645.67,-1200.79 940.94,-1200.79 v1(964.57,-1177.17)
  Bottom Layer w6.16: v1(964.57,-1177.17) 964.57,-1161.42 972.44,-1153.54 988.19,-1153.54 994.08,-1147.65 U16.22@994.08,-1122.05
SDO: U1.U15 U16.21 | length 979
  Layer 3 w5.61: v1(188.98,-1039.37) 188.98,-1074.8 200.79,-1086.61 511.81,-1086.61 637.8,-1212.6 964.57,-1212.6 v1(1000,-1177.17)
  Bottom Layer w6.16: v1(1000,-1177.17) 1000,-1161.42 1013.77,-1147.65 U16.21@1013.77,-1122.05
SEL: U19.4 U20.8 | length 1456.5
  Top Layer w6.16: v1(-94.49,-1259.84) -94.49,-1260.04 -68.9,-1285.63 U20.8@-68.9,-1292.52
  Layer 3 w5.61: v1(-1224.41,-799.21) -1224.95,-799.75 -1240.7,-799.75 -1245.71,-804.76 -1245.71,-821.22 -1169.29,-897.64 -717.61,-897.64 -560.13,-1055.12 -299.21,-1055.12 v1(-94.49,-1259.84)
  Bottom Layer w6.16: v1@-1224.41,-795.28 -1217.52,-802.17 U19.4@-1187.01,-802.17
SEN: U19.119 U22.4 | length 1623.3
  Layer 3 w5.61: v1(-1035.43,-1003.94) -1035.43,-1539.37 -1074.8,-1578.74 -1074.8,-1688.98 -952.76,-1811.02 -385.83,-1811.02 v1(-350.39,-1775.59)
  Bottom Layer w6.16: v1(-1035.43,-1003.94) -1035.43,-898.62 -1034.45,-897.64 U19.119@-1034.45,-872.05
SMPS_GND: C17.1 C18.1 FB1.1 U1.F2 | length 316.9
  Top Layer w20: FB1.1@-524.02,-814.96 -536.26,-802.72 -536.26,-757.69 -536.26,-736.65 C18.1@-520.08,-720.47
  Bottom Layer w20: v1(-431.1,-692.91) v1(-220.47,-692.91)
SRST: U5.B10
SS1V0: C96.1 U12.D8 | length 242.9
  Top Layer w6.16: C96.1@43.31,629.53 51.18,637.4 51.18,835.43 U12.D8@75,859.25
SS1V5: C122.2 U14.1
SS1V8: C111.1 U12.E5 | length 292.9
  Top Layer w6.16: U12.E5@-75,909.25 -49.21,883.47 -49.21,635.43 C111.1@-43.31,629.53
SS3V3: C128.2 U15.1
SSA0_n: U18.A3 U20.12 | length 256.6
  Top Layer w4.29: U18.A3@-187.01,-1580.31 -190.77,-1576.55 -190.77,-1550.88 -191.71,-1549.95 -191.71,-1545.93 -53.91,-1408.14 -53.91,-1397.81 -52.97,-1396.87 -52.97,-1388.41 U20.12@-49.21,-1384.65
SSA0_p: U18.A2 U20.11 | length 256.6
  Top Layer w4.29: U18.A2@-206.69,-1580.31 -202.93,-1576.55 -202.93,-1550.88 -202,-1549.95 -202,-1541.67 -64.2,-1403.88 -64.2,-1397.81 -65.14,-1396.87 -65.14,-1388.41 U20.11@-68.9,-1384.65
SSA1_n: U18.B3 U20.15 | length 240.3
  Top Layer w4.29: U20.15@9.84,-1384.65 13.6,-1388.41 13.6,-1396.87 14.54,-1397.81 14.54,-1407.89 112.97,-1506.32 112.97,-1549.95 112.03,-1550.88 112.03,-1576.55 U18.B3@108.27,-1580.31
SSA1_p: U18.B2 U20.16 | length 240.3
  Top Layer w4.29: U20.16@29.53,-1384.65 25.77,-1388.41 25.77,-1396.87 24.83,-1397.81 24.83,-1403.63 123.26,-1502.05 123.26,-1549.95 124.19,-1550.88 124.19,-1576.55 U18.B2@127.95,-1580.31
SSB0_n: U18.B10 U20.14 | length 240.3
  Top Layer w4.29: U18.B10@-108.27,-1580.31 -112.03,-1576.55 -112.03,-1550.88 -112.97,-1549.95 -112.97,-1506.56 -14.54,-1408.14 -14.54,-1397.81 -13.6,-1396.87 -13.6,-1388.41 U20.14@-9.84,-1384.65